# KiCad board mist1010.kicad_pcb (continued)
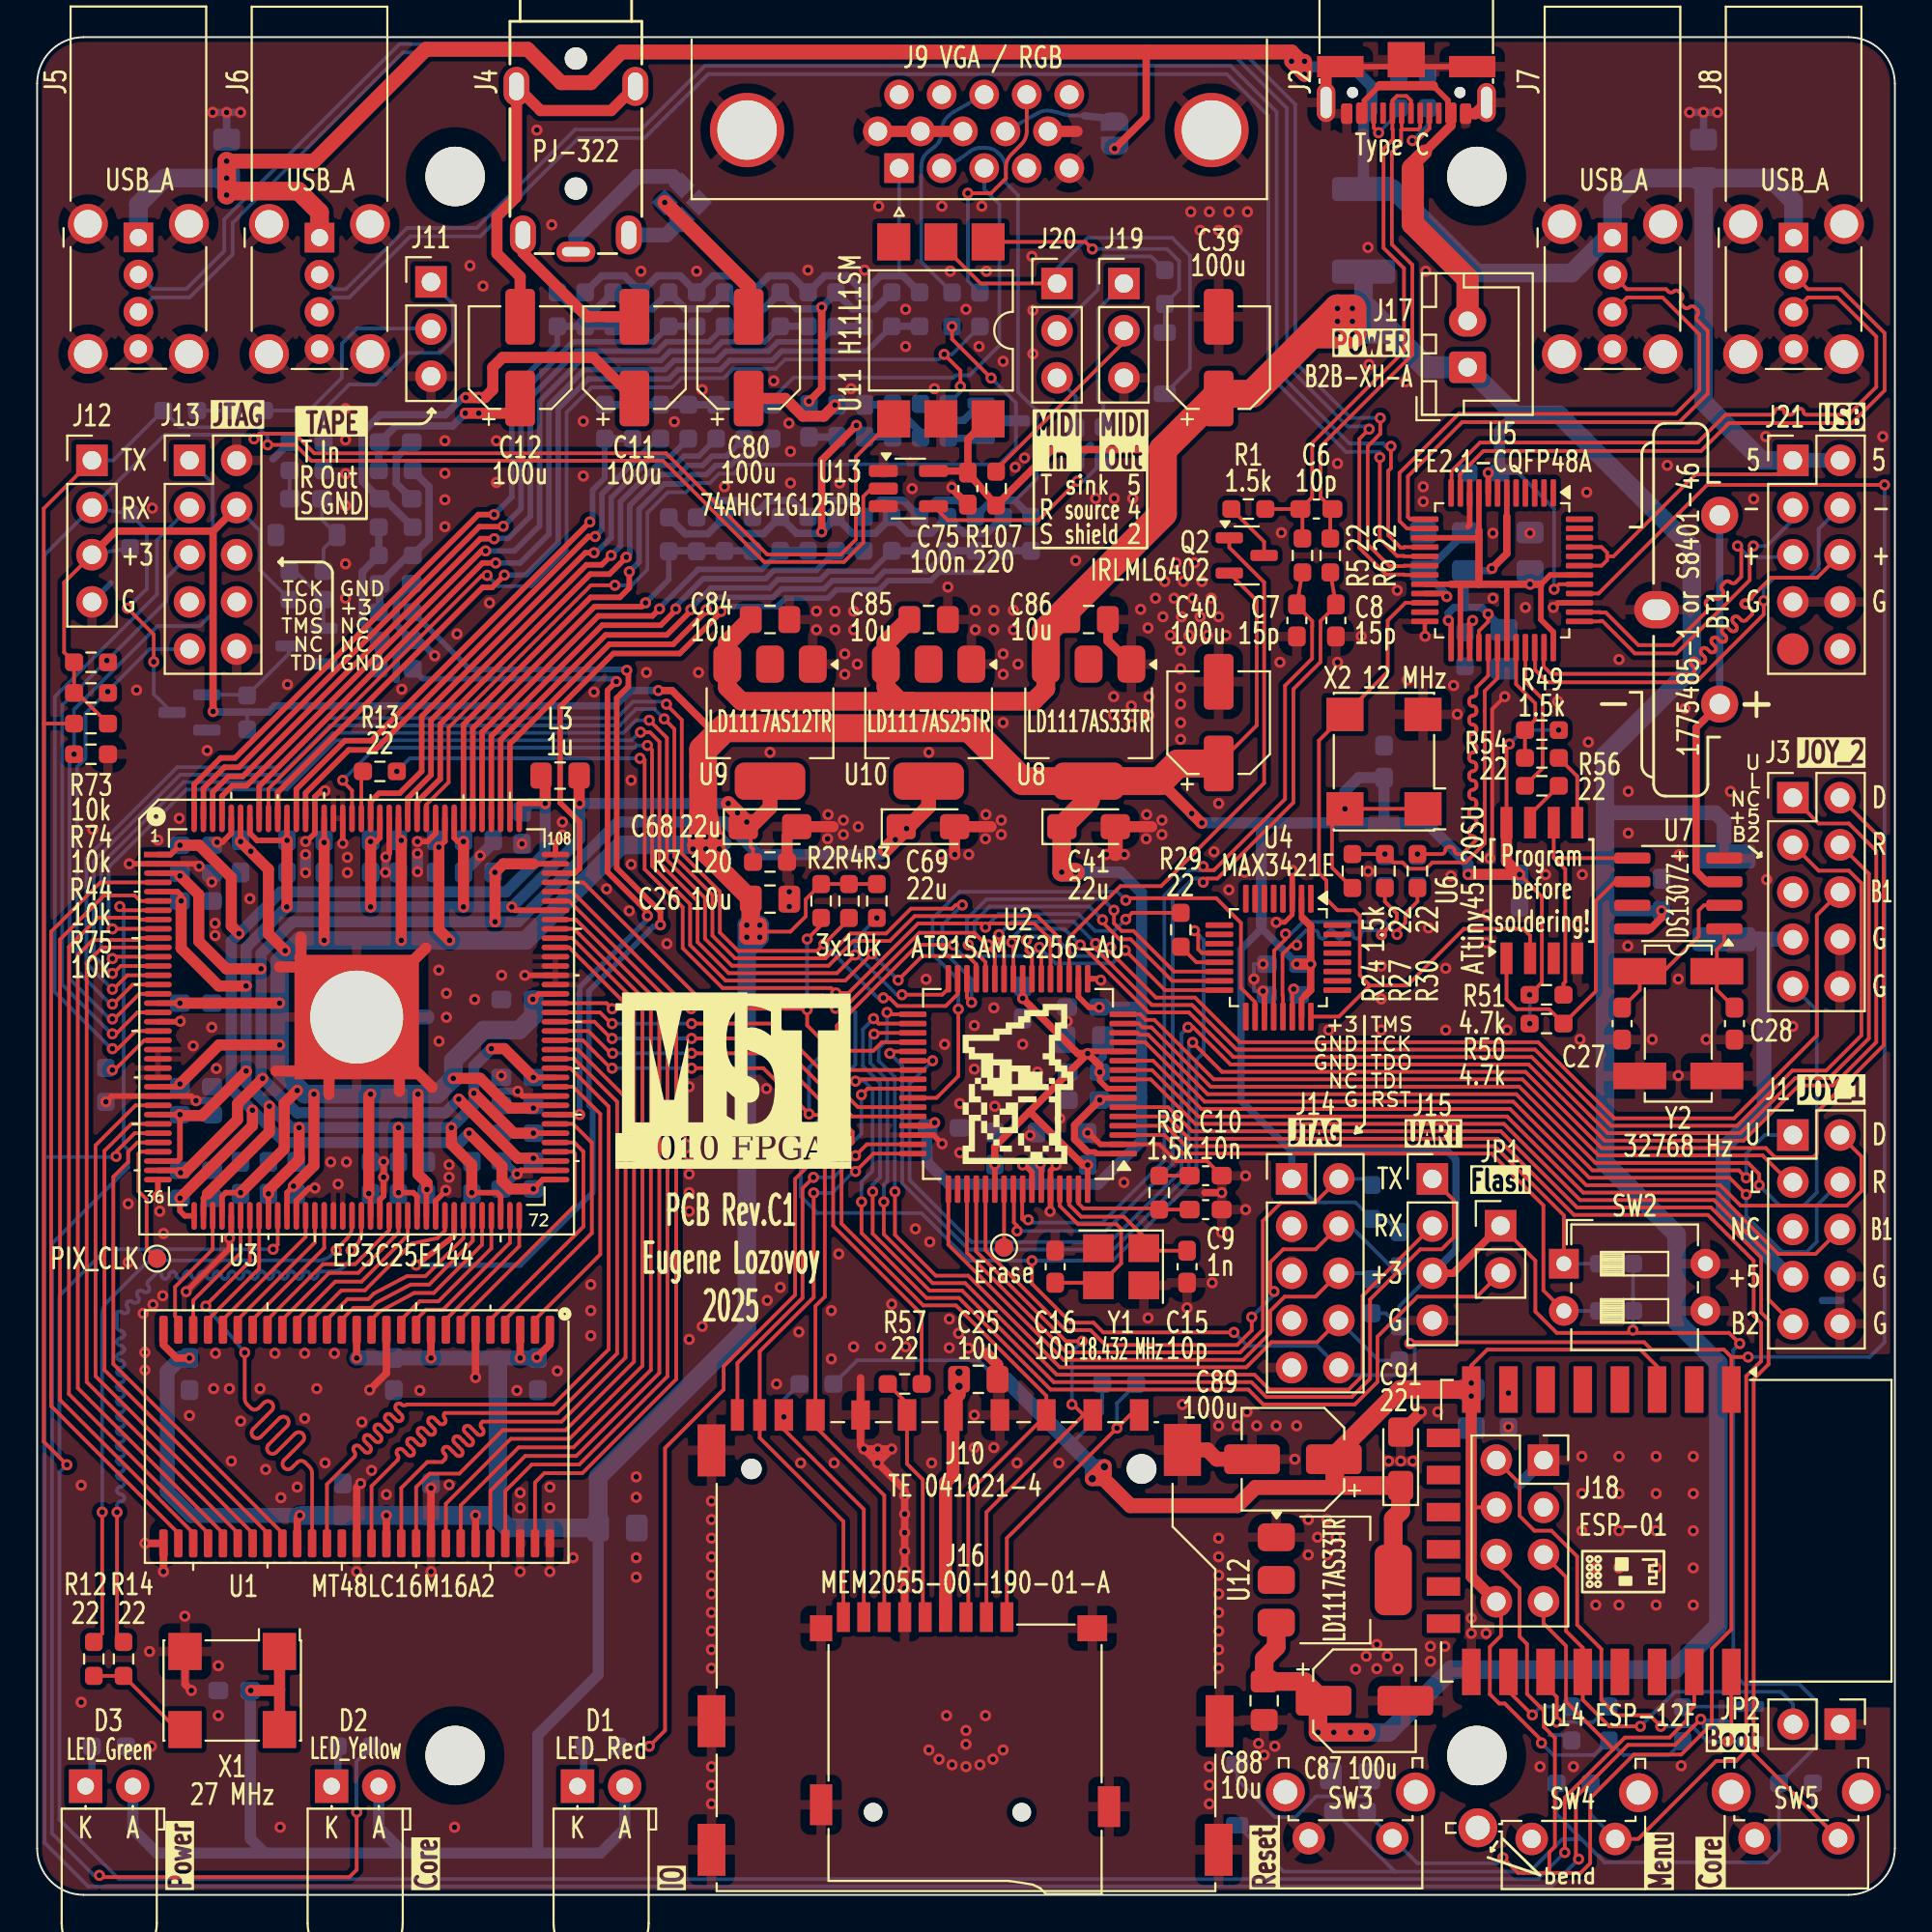
[diagram p0: board, top side]
## Routing (per net, layer and track width the routed paths; a pad name or vN(x,y) marks a point on that pad's centre or on a via; arc(x,y) is an arc through that point) (continued)
Net-(C10-Pad1): length 1.6
  Top w0.2: C10.1 R8.1
Net-(C11-Pad1): length 25
  Top w0.6: C11.1 29.94,82.76 25.05,82.76 24.53,82.23 24.53,81.02 24.1,80.6 v1(23.78,80.6) v1(23.08,80.6)
  Bottom w0.4: R99.2 18.69,75.15 C13.1 17.5,76.09 17.5,78.71 18.47,79.67 21.98,79.67 22.9,80.6 v1(23.78,80.6)
Net-(C11-Pad2): length 8.4
  Top w0.6: C11.2 29.6,84.95 26.15,88.4 J4.R1
Net-(C12-Pad1): length 11.2
  Top w0.6: C12.1 26,79.82 25.93,79.76 v1(23.05,79.76)
  Bottom w0.4: R104.2 18.39,78.15 C14.1 19.31,79.07 22.36,79.07 v1(23.05,79.76) v1(23.78,79.76)
Net-(C12-Pad2): length 20.8
  Top w0.6: C12.2 26,87.1 24.75,88.35 24.75,90.35 25.8,91.4 J4.T 27.1,96.05 30.9,96.05 J4.T
Net-(C23-Pad2): length 1.8
  Bottom w0.2: C23.2 R52.2
Net-(C24-Pad2): length 1.5
  Bottom w0.2: C24.2 13.59,75.17 R65.2
Net-(C77-Pad1): length 10.4
  Top w0.6: v1(42.95,80.2) 42.35,79.6 41.22,79.6 40.75,80.07 40.75,80.07 40.28,80.55 C80.1
  Bottom w0.4: 47.55,78.72 L6.2 ; 46.04,80.21 C78.1 C77.1
Net-(C77-Pad2): length 1.5
  Bottom w0.4: L5.2 43.05,78.47
Net-(C82-Pad1): length 8.4
  Bottom w0.4: R99.1 R100.2 17.5,71.21 17.5,68.46 C82.1 18.39,67.47 R10.2
Net-(C83-Pad1): length 9.3
  Bottom w0.4: R11.1 18.44,69.1 C83.1 19.96,72.1 R100.1 20.21,72.11 21.1,73 21.1,75.79 R104.1
Net-(D1-K): length 2.3
  Bottom w0.4: 29.42,8 29.42,6.74 29.09,6.4 D1.1
Net-(D2-K): length 2.3
  Bottom w0.4: D2.1 15.85,6.35 16.19,6.69 R46.1
Net-(D3-K): length 2.3
  Bottom w0.4: R47.1 2.95,6.45 2.61,6.11 D3.1
Net-(D4-K): length 4.5
  Bottom w0.2: R66.1 15.41,72.46 D4.1 15.34,74.01 C24.1
Net-(D5-A): length 24.2
  Top w0.2: 48.65,88.88 50.79,86.74 J20.1
  Bottom w0.2: D5.2 62.05,82.15 62.05,88.25 61.1,89.2 56.55,89.2 54.9,87.55 J20.1
Net-(D5-K): length 14.9
  Top w0.2: U11.1 56.42,88.98 v1(56.8,88.6)
  Bottom w0.2: D5.1 R106.1 61.47,86.41 61.47,87.94 60.82,88.6 v1(56.8,88.6)
Net-(J2-CC1): length 4.1
  Top w0.2: J2.A5 74.95,95.08 74.3,94.43 v1(74.03,94.43)
  Bottom w0.2: v1(74.03,94.43) 74.85,95.26 R38.2
Net-(J2-CC2): length 2.9
  Top w0.2: v1(72.21,94.86) 71.95,95.12 J2.B5
  Bottom w0.2: R89.2 73.3,95.94 v1(72.21,94.86)
Net-(J4-PadR2): length 3.2
  Bottom w0.8: J4.R2 33.87,89.35 JP4.4
Net-(J17-Pin_2): length 19.8
  Top w0.3: 75.15,97.39 75.95,96.59 75.95,96.06 J2.A4 ; 72.26,97.39 72.25,97.39 71.45,96.59 71.45,96.06 J2.A9
  Top w0.5: 75.15,97.39 75.15,97.39 72.26,97.39 ; J2.A4 76.1,95.23 74.68,93.82
  Top w0.8: 74.68,93.82 74.07,93.2 74.07,92.94
  Top w1.2: 74.05,92.92 74.05,89.95 77,87 77,84.77
Net-(J19-Pin_1): length 8.4
  Bottom w0.2: R108.2 57.4,80.2 57.1,80.5 57.1,85.34 J19.1
Net-(J19-Pin_2): length 10.3
  Top w0.2: 51.62,76.71 58.5,83.59 J19.2
Net-(J20-Pin_2): length 8.6
  Bottom w0.2: J20.2 57.1,86.4 57.1,87.85 57.45,88.2 59.96,88.2 R106.2
Net-(J20-Pin_3): length 3.1
  Bottom w0.2: J20.3 55.9,80.66 C76.1
Net-(JP1-B): length 54.8
  Top w0.2: v1(44.37,37.3) 44.37,35.63 47.87,32.13 49.62,32.13 54.55,27.2 65.2,27.2 66,26.4 70.93,26.4 72.15,27.62 72.15,30.05 74.3,32.2 77.5,32.2 JP1.2 ; U2.40 44.15,43.9 v1(44.05,43.8)
  Bottom w0.2: v1(44.37,37.3) 44.37,38.38 44.97,38.97 44.97,43.35 44.52,43.8 v1(44.05,43.8)
Net-(JP3-A): length 6.2
  Bottom w0.2: J9.9 53.88,95.92 arc(54.21,96.03) 54.56,96.03 54.89,95.96 arc(54.95,95.95) 55.01,95.93 55.26,95.85 arc(55.4,95.81) 55.54,95.79 55.72,95.79 arc(55.74,95.79) 55.76,95.79 56.37,95.77
  Bottom w0.4: 56.37,95.77 58,95.6
Net-(JP4-A): length 8
  Bottom w0.8: J4.S 29,89.2 32.3,92.5 34.22,92.5 JP4.1
Net-(Q1-B): length 5.8
  Bottom w0.2: Q1.1 11.26,64.6 R55.1 13.56,66.82 Q4.3
Net-(Q2-D): length 3.2
  Top w0.2: R1.1 66.05,72.84 Q2.3
Net-(Q3-B): length 3.6
  Bottom w0.2: Q3.1 88.62,10.14
Net-(Q4-B): length 4
  Bottom w0.2: R66.2 13.89,71.25 R58.1 15.41,68.2 Q4.1
Net-(Q6-B): length 1.7
  Bottom w0.4: Q6.1 49.09,78.4
Net-(Q6-E): length 4
  Bottom w0.4: R102.1 48.44,79.38 49.89,79.38 Q6.2
Net-(R108-Pad1): length 10.8
  Top w0.2: v1(56,76.1) 53.9,74 49.01,74 48.26,74.75
  Bottom w0.2: v1(56,76.1) 56.31,76.1 R108.1
Net-(U2-ERASE): length 3.1
  Top w0.2: U2.55 TP2.1
Net-(U2-PLLRC): length 6.8
  Top w0.2: U2.63 56.05,37.22 56.32,36.95 60.34,36.95 ; R8.2 C9.1
Net-(U2-VDDOUT): length 29.5
  Top w0.3: U2.24 v1(53.05,48.26) ; U2.12 56.66,45.4 v1(56.55,45.29) ; U2.64 v1(56.55,39.29) ; v1(57.2,44.29) 57.2,43.82 57.62,43.4 U2.8 ; U2.54 v1(51.55,39.31)
  Top w0.4: v1(57.2,44.29) 57.2,44.64 v1(56.55,45.29) ; v1(56.55,45.29) 56.02,45.29 v1(53.05,48.26) ; v1(56.55,45.29) 53.42,42.16 ; 53.42,42.16 51.55,40.29 v1(51.55,39.31) ; 53.42,42.16 56.3,39.29 v1(56.55,39.29)
  Bottom w0.2: v1(56.55,45.29) 56.62,45.29 C1.2 ; v1(53.05,48.26) C3.2
  Bottom w0.4: C1.2 57.37,45.11 57.2,44.94 v1(57.2,44.29)
Net-(U2-XIN/PGMCK): length 7.8
  Top w0.2: U2.62 55.55,37.15 56.2,36.5 58.5,36.5 59.8,35.2 ; C15.1 60.03,34.67
Net-(U2-XOUT): length 10.2
  Top w0.2: C16.1 56.68,32.95 ; U2.61 55.05,37.08 56.03,36.1 58.1,36.1 58.35,35.85 58.35,33.99 57.09,32.72
Net-(U3-CLK8/DIFFCLK_5n): length 2.6
  Top w0.2: R13.1 17.45,60.39 U3.126
Net-(U3-CLK12/DIFFCLK_7n): length 45.7
  Top w0.2: v1(4.3,20.6) 4.3,13.96 R14.2 ; v1(16.9,34.7) 17.16,34.96 arc(17.37,35.28) 17.45,35.66 U3.55
  Bottom w0.2: v1(16.9,34.7) 16.9,34.62 arc(16.82,34.23) 16.61,33.91 16.47,33.77 arc(16.17,33.61) 15.84,33.55 15.29,33.55 arc(15.15,33.49) 15.09,33.35 arc(15.04,33.22) 14.9,33.16 14.89,33.16 arc(14.75,33.22) 14.69,33.35 arc(14.64,33.49) 14.5,33.55 14.49,33.55 arc(14.35,33.49) 14.3,33.35 arc(14.24,33.22) 14.1,33.16 14.09,33.16 arc(13.95,33.22) 13.89,33.35 arc(13.84,33.49) 13.7,33.55 13.69,33.55 arc(13.55,33.49) 13.5,33.35 arc(13.44,33.22) 13.3,33.16 13.29,33.16 arc(13.15,33.22) 13.09,33.35 arc(13.04,33.49) 12.9,33.55 12.89,33.55 arc(12.75,33.49) 12.69,33.35 arc(12.64,33.22) 12.5,33.16 12.49,33.16 arc(12.35,33.22) 12.3,33.35 arc(12.24,33.49) 12.1,33.55 12.09,33.55 arc(11.95,33.49) 11.89,33.35 arc(11.84,33.22) 11.7,33.16 11.69,33.16 arc(11.55,33.22) 11.5,33.35 arc(11.44,33.49) 11.3,33.55 11.29,33.55 arc(11.15,33.49) 11.09,33.35 arc(11.04,33.22) 10.9,33.16 10.89,33.16 arc(10.75,33.22) 10.69,33.35 arc(10.64,33.49) 10.5,33.55 10.49,33.55 arc(10.35,33.49) 10.3,33.35 arc(10.24,33.22) 10.1,33.16 10.09,33.16 arc(9.95,33.22) 9.89,33.35 arc(9.84,33.49) 9.7,33.55 9.69,33.55 arc(9.55,33.49) 9.5,33.35 arc(9.44,33.22) 9.3,33.16 9.29,33.16 arc(9.15,33.22) 9.09,33.35 arc(9.04,33.49) 8.9,33.55 8.89,33.55 arc(8.75,33.49) 8.69,33.35 arc(8.64,33.22) 8.5,33.16 8.49,33.16 arc(8.35,33.22) 8.3,33.35 arc(8.24,33.49) 8.1,33.55 8.09,33.55 arc(7.95,33.49) 7.89,33.35 arc(7.84,33.22) 7.7,33.16 7.69,33.16 arc(7.55,33.22) 7.5,33.35 arc(7.44,33.49) 7.3,33.55 7.29,33.55 arc(7.15,33.49) 7.09,33.35 arc(7.04,33.22) 6.9,33.16 6.89,33.16 arc(6.75,33.22) 6.69,33.35 arc(6.64,33.49) 6.5,33.55 5.99,33.04 arc(5.93,32.9) 5.99,32.76 arc(6.05,32.63) 5.99,32.49 5.98,32.48 arc(5.85,32.42) 5.71,32.48 arc(5.57,32.54) 5.43,32.48 5.42,32.47 arc(5.37,32.34) 5.42,32.2 arc(5.48,32.06) 5.42,31.92 5.42,31.92 arc(5.28,31.86) 5.14,31.92 arc(5,31.97) 4.87,31.92 4.86,31.91 arc(4.8,31.77) 4.86,31.63 arc(4.92,31.49) 4.86,31.36 4.85,31.35 arc(4.71,31.29) 4.58,31.35 arc(4.44,31.41) 4.3,31.35 4.3,30.56 arc(4.36,30.42) 4.5,30.37 arc(4.63,30.31) 4.69,30.17 4.69,30.16 arc(4.63,30.02) 4.5,29.97 arc(4.36,29.91) 4.3,29.77 4.3,29.76 arc(4.36,29.62) 4.5,29.57 arc(4.63,29.51) 4.69,29.37 4.69,29.36 arc(4.63,29.22) 4.5,29.17 arc(4.36,29.11) 4.3,28.97 4.3,28.96 arc(4.36,28.82) 4.5,28.77 arc(4.63,28.71) 4.69,28.57 4.69,28.56 arc(4.63,28.42) 4.5,28.37 arc(4.36,28.31) 4.3,28.17 4.3,28.16 arc(4.36,28.02) 4.5,27.97 arc(4.63,27.91) 4.69,27.77 4.69,27.76 arc(4.63,27.62) 4.5,27.57 arc(4.36,27.51) 4.3,27.37 4.3,27.36 arc(4.36,27.22) 4.5,27.17 arc(4.63,27.11) 4.69,26.97 4.69,26.96 arc(4.63,26.82) 4.5,26.77 arc(4.36,26.71) 4.3,26.57 4.3,26.56 arc(4.36,26.42) 4.5,26.37 arc(4.63,26.31) 4.69,26.17 4.69,26.16 arc(4.63,26.02) 4.5,25.97 arc(4.36,25.91) 4.3,25.77 4.3,25.76 arc(4.36,25.62) 4.5,25.57 arc(4.63,25.51) 4.69,25.37 4.69,25.36 arc(4.63,25.22) 4.5,25.17 arc(4.36,25.11) 4.3,24.97 4.3,24.96 arc(4.36,24.82) 4.5,24.77 arc(4.63,24.71) 4.69,24.57 4.69,24.56 arc(4.63,24.42) 4.5,24.37 arc(4.36,24.31) 4.3,24.17 4.3,24.16 arc(4.36,24.02) 4.5,23.97 arc(4.63,23.91) 4.69,23.77 4.69,23.76 arc(4.63,23.62) 4.5,23.57 arc(4.36,23.51) 4.3,23.37 4.3,23.36 arc(4.36,23.22) 4.5,23.17 arc(4.63,23.11) 4.69,22.97 4.69,22.96 arc(4.63,22.82) 4.5,22.77 arc(4.36,22.71) 4.3,22.57 4.3,22.56 arc(4.36,22.42) 4.5,22.37 arc(4.63,22.31) 4.69,22.17 4.69,22.16 arc(4.63,22.02) 4.5,21.97 arc(4.36,21.91) 4.3,21.77 4.3,21.76 arc(4.36,21.62) 4.5,21.57 arc(4.63,21.51) 4.69,21.37 4.69,21.36 arc(4.63,21.22) 4.5,21.17 arc(4.36,21.11) 4.3,20.97 v1(4.3,20.6)
Net-(U3-CLK13/DIFFCLK_7p): length 34.1
  Top w0.2: v1(3.5,20.6) 3.5,14.06 R12.2 ; v1(16.1,34.7) 16.1,34.75 16.66,35.31 arc(16.87,35.63) 16.95,36.01 U3.54
  Bottom w0.2: v1(16.1,34.7) 15.84,34.44 arc(15.52,34.23) 15.14,34.15 6.41,34.15 arc(6.03,34.07) 5.71,33.86 3.79,31.94 arc(3.58,31.62) 3.5,31.24 v1(3.5,20.6)
Net-(U3-nCE): length 3.5
  Top w0.2: v1(4.05,44.4) 4.16,44.4 5.76,46 U3.21
  Bottom w0.2: R9.2 3.81,44.4 v1(4.05,44.4)
Net-(U4-D+): length 14.2
  Top w0.2: v1(72.37,51.68) 72.6,51.92 72.6,51.95 72.95,52.3 72.98,52.3 73.2,52.52 73.2,52.82 72.55,53.47 R27.1 ; U4.21 67.06,48.4 67.04,48.43 67.04,50.64 67.52,51.13 v1(67.81,51.13)
  Bottom w0.2: v1(67.81,51.13) 67.81,51.41 68.32,51.92 68.75,51.92 arc(68.91,51.86) 68.97,51.7 arc(69.04,51.54) 69.2,51.47 69.21,51.47 arc(69.37,51.54) 69.44,51.7 arc(69.5,51.86) 69.66,51.92 69.67,51.92 arc(69.83,51.86) 69.9,51.7 arc(69.96,51.54) 70.12,51.47 70.13,51.47 arc(70.29,51.54) 70.35,51.7 arc(70.42,51.86) 70.58,51.92 70.59,51.92 arc(70.75,51.86) 70.81,51.7 arc(70.88,51.54) 71.04,51.47 71.05,51.47 arc(71.21,51.54) 71.28,51.7 arc(71.34,51.86) 71.5,51.92 72.13,51.92 v1(72.37,51.68)
Net-(U4-D-): length 14.2
  Top w0.2: v1(73.2,51.7) 73.2,51.88 73.65,52.33 73.65,52.82 74.3,53.47 R30.1 ; U4.20 66.56,48.4 66.59,48.43 66.59,50.83 67.2,51.44 v1(67.2,51.73)
  Bottom w0.2: v1(67.2,51.73) 67.49,51.73 68.14,52.38 72.53,52.38 v1(73.2,51.7)
Net-(U4-SCK): length 2.4
  Top w0.2: R29.2 62.4,50.2 U4.13
Net-(U4-VBCOMP): length 1.5
  Top w0.2: v1(67.64,48.76) 67.56,48.68 U4.22
Net-(U5-REXT): length 2.3
  Top w0.3: U5.27 77.11,68.44 v1(77.28,68.6)
  Bottom w0.2: v1(77.28,68.6) 77.28,68.38 R36.1
Net-(U5-VD18_O): length 15.4
  Top w0.2: v1(78.11,68.94) 78.11,68.53 77.61,68.04 U5.28
  Top w0.3: v1(75.96,68.6) 76.11,68.45 U5.25 ; U5.6 79.11,74.2
  Top w0.4: v1(78.31,71.4) 79.11,72.2 79.11,74.2
  Bottom w0.4: 76.86,69.3 77.75,69.3 v1(78.11,68.94) C18.2 ; 76.86,69.3 L1.1 78.19,71.27 v1(78.31,71.4) ; 76.86,69.3 76.26,69.3 75.96,69 v1(75.96,68.6)
Net-(U5-VD_PLL): length 6.1
  Top w0.3: v1(75.88,69.89) 75.72,70.05 U5.21
  Bottom w0.4: 74.8,71.26 76.86,73.32 ; v1(75.88,69.89) 75.88,70 C17.2
Net-(U5-VDD3_O): length 28.8
  Top w0.2: 76.21,70.55 76.11,70.55
  Top w0.3: 76.11,70.55 U5.20 ; U5.36 81.61,67.98 80.95,68.64 80.95,70.55 81.45,71.05 U5.42 ; U5.9 77.61,73.07 77.59,73.05 U5.15 ; U5.26 76.61,70.55 76.21,70.55 ; 78.81,70.55 79.15,70.55 79.11,70.51 U5.31
  Top w0.4: 76.11,70.55 77.61,70.55 ; 77.61,70.55 80.95,70.55 ; 77.61,70.55 77.61,73.45
  Bottom w0.4: v1(80.36,70.55) C19.2
Net-(U6-AREF/PB0): length 3.9
  Top w0.2: R54.1 82.91,60.21 U6.5
Net-(U6-PB1): length 13.8
  Top w0.2: U7.5 81.66,55.81 81.63,55.83 ; 81.63,55.83 82.26,55.21 82.26,49.15 82.16,49.05 R51.2 ; 81.63,55.83 U6.6
Net-(U6-PB2): length 2.2
  Top w0.2: R56.1 80.37,58.15
Net-(U6-~{RESET}/PB5): length 15.9
  Top w0.2: U6.1 79.09,48.22 79.64,47.67 81.39,47.67 R50.2 83.9,48.64 83.9,53.5 84.94,54.54 86.22,54.54
Net-(U7-X1): length 4.8
  Top w0.2: U7.1 90.82,51.27 90.42,50.87 Y2.4 90.42,48.71 C28.1
Net-(U7-X2): length 8.5
  Top w0.2: Y2.1 86.27,48.71 C27.1 ; 90.2,53.27 U7.2 89.72,53.27 89.44,52.99 89.44,51.6 87.56,49.71
Net-(U14-GPIO2): length 5.3
  Top w0.2: 81.2,11.25 81.8,10.65 v1(81.8,9.3)
  Bottom w0.2: R109.1 83.76,9.3 v1(81.8,9.3)
Net-(U14-GPIO13): length 0.2
  Top w0.2: U14.7 v1(79.2,27.01)
Net-(U14-GPIO15): length 4.4
  Top w0.2: v1(80.48,9.68) 79.2,10.97 79.2,11.25
  Bottom w0.2: v1(80.48,9.68) 80.94,10.14 R110.1

## Copper pours and planes (outline as drawn; the poured copper is in the pictures)
GND on Top, Bottom: 100.2,-0.5 -0.3,-0.5 -0.3,100.25 100.2,100.25

## Text on the board
B.Silkscreen: GND | Right | Left | Video | Recommended | all 100n | join together these pins / for Sega gamepads
F.Silkscreen: source | shield | Program / before / soldering! | GND | sink | T | S | R | 5 | 4 | 2 | In | Out | TAPE | MIDI / In | MIDI / Out | PCB Rev.${REVISION} / Eugene Lozovoy / 2025 | 1010 FPGA | ST | MI
User.1: mist1.3 mist a2 mist b / a min    6,8     9,4     6,9 / a max    44,5    44,7    42,5 / dq8 min  6,9     10,3    7,7 / dq8 max  16,6    17,5    16 / dq16 min 42      37,5    41,3 / dq16 max 47,1    43,1    42,6 / ba0      9,8     10,5    9 / ba1      7,7     9,4     7,6 / clk      34,2    24,8    34,1 / cs       9,5     11,2    9,5 / dqml     9,5     12,5    10,4 / dqmh     42,9    37,6    42,8 / we       10,5    12,6    10,7 / cas      9,5     10,8    9,5 / ras      9,2     11,1    9,3
